# Altium PCB LimeSDR-X3_1v0.PcbDoc (part 4 of 25)
Units mm, origin at the board's own origin, x right, y up, seen from the top; angles counter-clockwise.
Board outline 232.5 x 111.15 mm, 12 copper layers (Top, L2, L3, L4, L5, L6, L7, L8, L9, L10, L11, Bottom), stack 1.596 mm thick; 2057 components, 1391 nets, 8880 pads, 3657 vias.
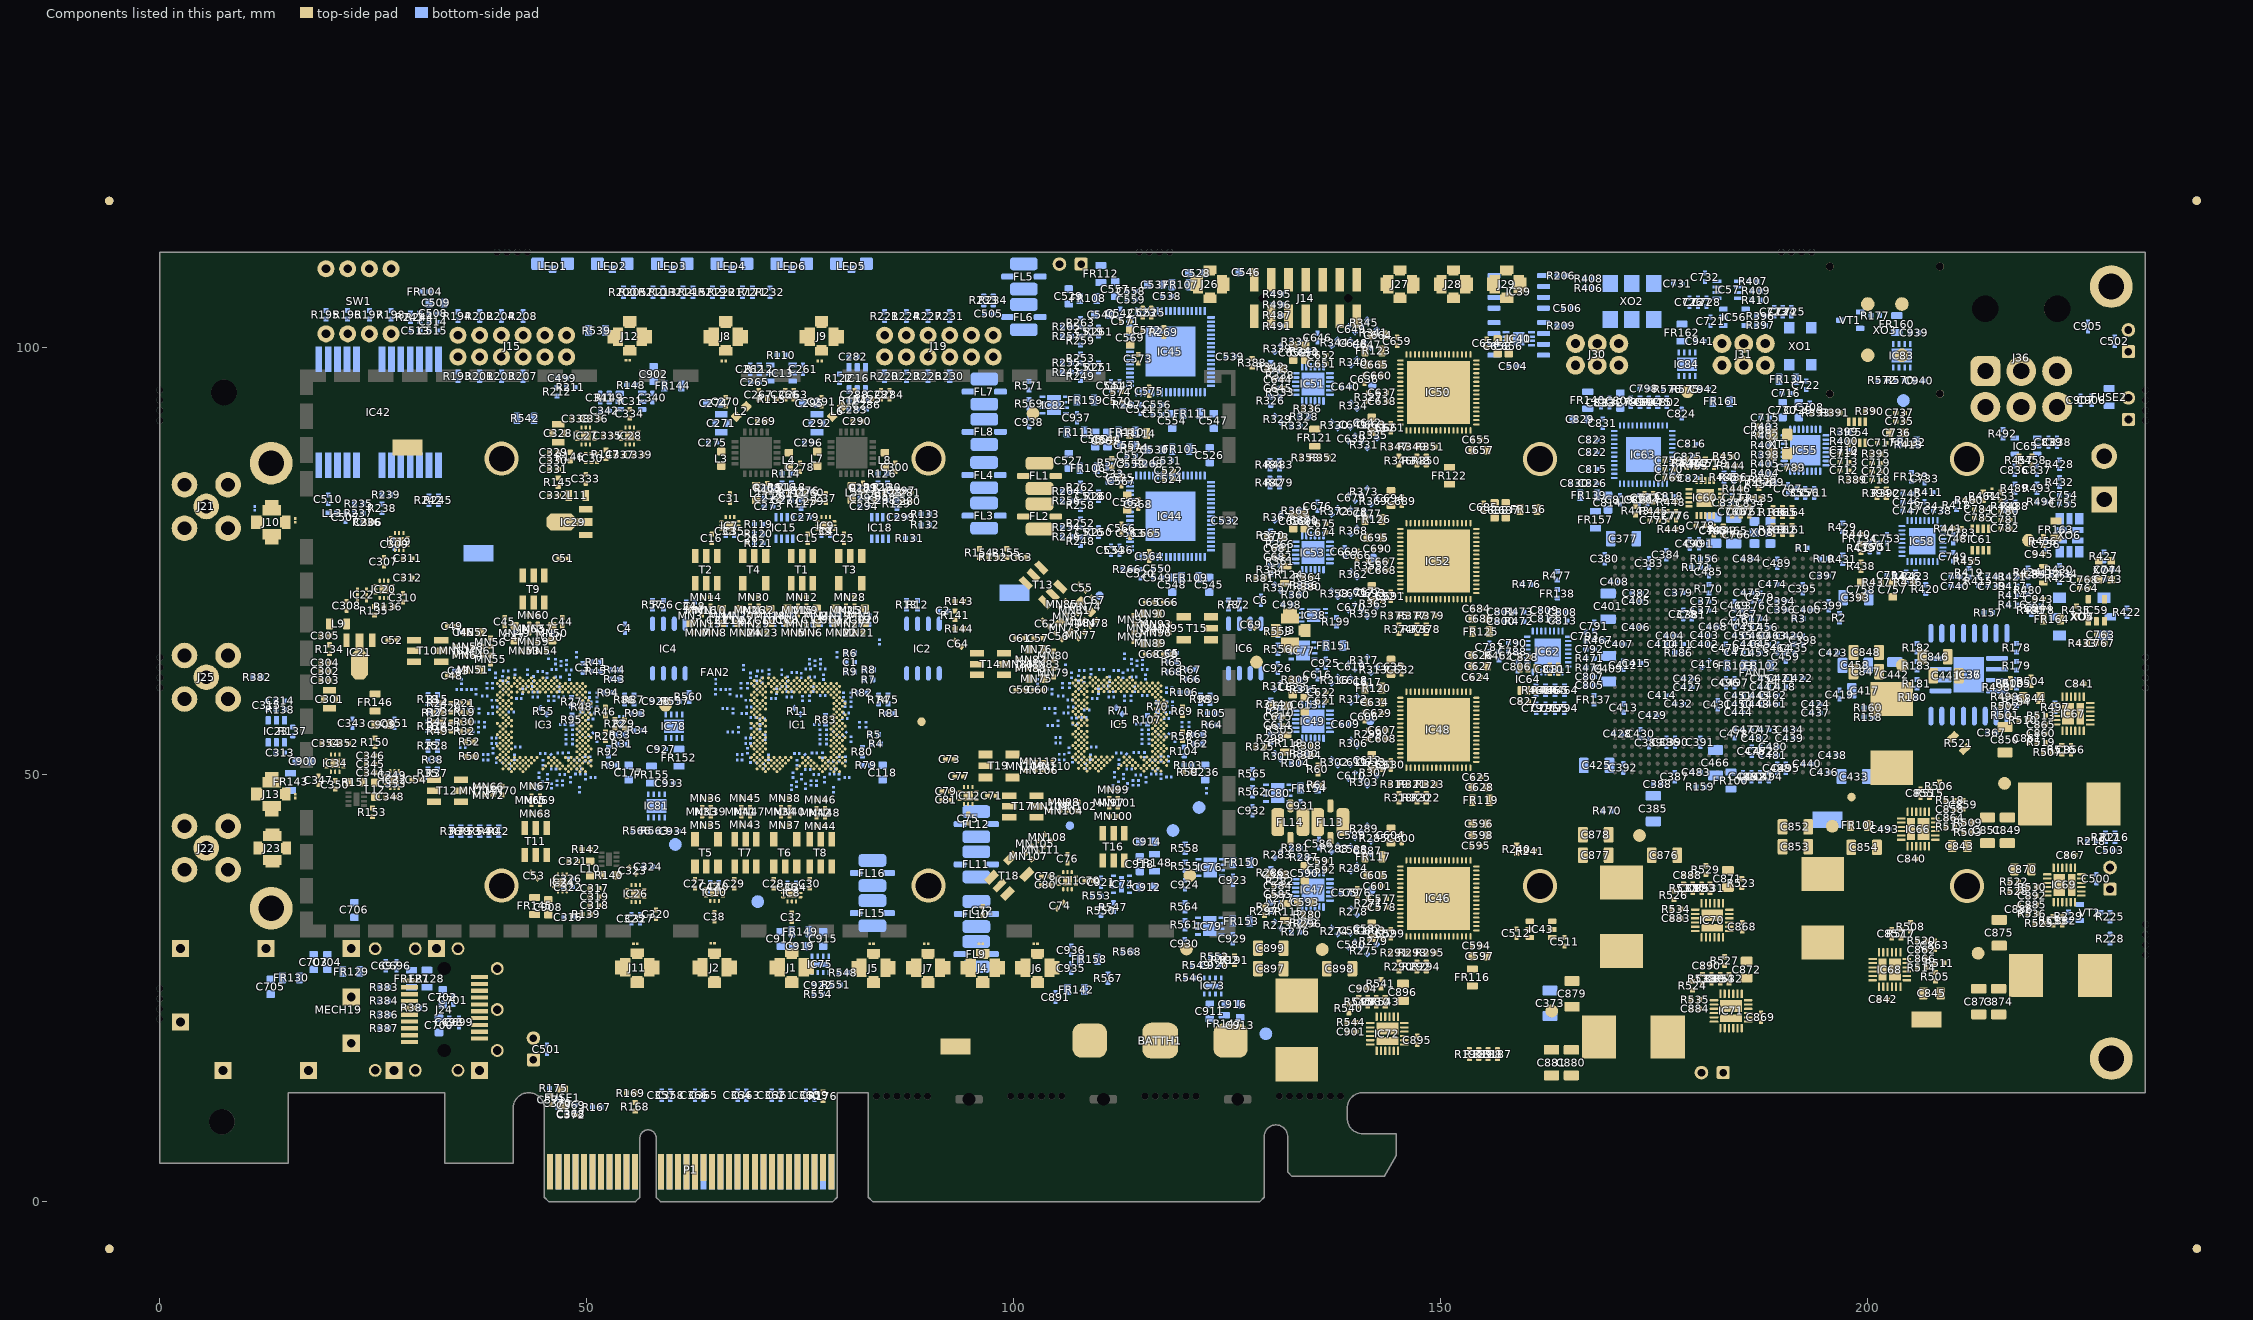
[diagram p14: the components of this part, seen from the top]

## Components (designator, comment, footprint, x,y, rotation, side; value= is the part's Value field where it differs from the comment) (continued)
R318 "10k, 1%" RES0402#2 145.075,47.275 r270 top
R319 "0R" RES0402#2 144.575,48.875 r0 top
R320 "10k, 1%" RES0402#2 147.175,47.275 r270 top
R321 "0R" RES0402#2 146.675,48.875 r0 top
R322 "10k, 1%" RES0402#2 148.275,47.275 r270 top
R323 "0R" RES0402#2 148.775,48.875 r180 top
R324 "0R" RES0402#2 134.4,52.25 r0 top
R325 "0R" RES0402#2 128.825,53.25 r180 top
R326 "300R, 1%" RES0402#1 130.075,93.75 r270 bottom
R327 "100R, 1%" RES0402#2 141.534,94.202 r90 top
R328 "560R, 1%" RES0402#1 134,91.925 r180 bottom
R329 "120R, 1%" RES0402#1 130.885,91.635 r135 bottom
R330 "39R, 1%" RES0402#1 137.554,90.934 r135 bottom
R331 "10R, 1%" RES0402#1 141.018,88.6 r135 bottom
R332 "300R, 1%" RES0402#1 133,90.825 r180 bottom
R333 "560R, 1%" RES0402#1 131.175,94.75 r270 bottom
R334 "39R, 1%" RES0402#1 139.816,93.196 r135 bottom
R335 "10R, 1%" RES0402#1 142.15,89.732 r135 bottom
R336 "10k, 1%" RES0402#2 134.4,92.85 r180 top
R337 "300R, 1%" RES0402#1 133,100.675 r180 bottom
R338 "560R, 1%" RES0402#1 131.175,96.75 r90 bottom
R339 "120R, 1%" RES0402#1 130.885,99.865 r45 bottom
R340 "39R, 1%" RES0402#1 139.816,98.304 r225 bottom
R341 "10R, 1%" RES0402#1 142.141,101.76 r225 bottom
R342 "300R, 1%" RES0402#1 130.075,97.75 r90 bottom
R343 "560R, 1%" RES0402#1 134,99.575 r180 bottom
R344 "39R, 1%" RES0402#1 137.545,100.558 r225 bottom
R345 "10R, 1%" RES0402#1 141.01,102.891 r225 bottom
R346 "10k, 1%" RES0402#2 145.075,86.775 r270 top
R347 "0R" RES0402#2 144.575,88.375 r0 top
R348 "10k, 1%" RES0402#2 147.175,86.775 r270 top
R349 "0R" RES0402#2 146.675,88.375 r0 top
R350 "10k, 1%" RES0402#2 148.275,86.775 r270 top
R351 "0R" RES0402#2 148.775,88.375 r180 top
R352 "0R" RES0402#2 136.275,87.1 r0 top
R353 "0R" RES0402#2 134.175,87.1 r180 top
R354 "300R, 1%" RES0402#1 130.075,74 r270 bottom
R355 "100R, 1%" RES0402#2 141.534,74.452 r90 top
R356 "560R, 1%" RES0402#1 134,72.175 r180 bottom
R357 "120R, 1%" RES0402#1 130.885,71.885 r135 bottom
R358 "39R, 1%" RES0402#1 137.554,71.184 r135 bottom
R359 "10R, 1%" RES0402#1 141.018,68.85 r135 bottom
R360 "300R, 1%" RES0402#1 133,71.075 r180 bottom
R361 "560R, 1%" RES0402#1 131.175,75 r270 bottom
R362 "39R, 1%" RES0402#1 139.816,73.446 r135 bottom
R363 "10R, 1%" RES0402#1 142.15,69.982 r135 bottom
R364 "10k, 1%" RES0402#2 134.4,73.1 r180 top
R365 "300R, 1%" RES0402#1 133,80.925 r180 bottom
R366 "560R, 1%" RES0402#1 131.175,77 r90 bottom
R367 "120R, 1%" RES0402#1 130.885,80.115 r45 bottom
R368 "39R, 1%" RES0402#1 139.816,78.554 r225 bottom
R369 "10R, 1%" RES0402#1 142.15,82.018 r225 bottom
R370 "300R, 1%" RES0402#1 130.075,78 r90 bottom
R371 "560R, 1%" RES0402#1 134,79.825 r180 bottom
R372 "39R, 1%" RES0402#1 137.554,80.816 r225 bottom
R373 "10R, 1%" RES0402#1 141.018,83.15 r225 bottom
R374 "10k, 1%" RES0402#2 145.075,67.025 r270 top
R375 "0R" RES0402#2 144.575,68.625 r0 top
R376 "10k, 1%" RES0402#2 147.175,67.025 r270 top
R377 "0R" RES0402#2 146.675,68.625 r0 top
R378 "10k, 1%" RES0402#2 148.275,67.025 r270 top
R379 "0R" RES0402#2 148.775,68.625 r180 top
R380 "0R" RES0402#2 134.4,72 r0 top
R381 "0R" RES0402#2 128.825,73 r180 top
R382 "0R" RES0402#1 11.375,61.4 r0 bottom
R383 "10k, 1%" RES0402#1 26.266,25.091 r0 bottom
R384 "10k, 1%" RES0402#1 26.266,23.491 r0 bottom
R385 "10k, 1%" RES0402#1 29.882,22.691 r0 bottom
R386 "10k, 1%" RES0402#1 26.266,21.891 r0 bottom
R387 "10k, 1%" RES0402#1 26.266,20.291 r0 bottom
R388 "0R" RES0402#2 127.9,98.225 r270 top
R389 "3k, 1%" RES0402#2 198.25,84.55 r180 top
R390 "49.9R, 1%" RES0402#2 200.2,92.568 r0 top
R391 "49.9R, 1%" RES0402#2 196.2,92.375 r180 top
R392 "100R, 1%" RES0402#2 202.15,82.95 r90 top
R393 "49.9R, 1%" RES0402#2 193.95,92.375 r180 top
R394 "1k, 1%" RES0402#2 201.05,82.95 r270 top
R395 "10k, 1%" RES0402#2 201,87.55 r0 top
R396 "0R" RES0402#1 187.475,103.7 r0 bottom
R397 "0R" RES0402#1 187.475,102.6 r180 bottom
R398 "0R" RES0402#1 187.975,87.45 r180 bottom
R399 "0R" RES0402#1 197.25,90.125 r0 bottom
R400 "0R" RES0402#1 197.25,89.025 r0 bottom
R401 "0R" RES0402#1 187.975,88.55 r180 bottom
R402 "0R" RES0402#1 187.975,89.65 r180 bottom
R403 "0R" RES0402#1 187.975,90.75 r0 bottom
R404 "0R" RES0402#1 187.975,85.275 r0 bottom
R405 "0R" RES0402#1 187.975,86.375 r180 bottom
R406 "100R, 1%" RES0402#1 167.308,106.96 r0 bottom
R407 "49.9R, 1%" RES0402#1 186.554,107.75 r0 bottom
R408 "100R, 1%" RES0402#1 167.308,108.06 r0 bottom
R409 "49.9R, 1%" RES0402#1 186.925,106.65 r0 bottom
R410 "49.9R, 1%" RES0402#1 186.925,105.55 r0 bottom
R411 "49.9R, 1%" RES0402#1 207.125,83.05 r180 bottom
R412 "0R" RES0402_v2 220.925,73.5 r180 bottom
R413 "0R" RES0402#2 204.75,88.65 r180 top
R414 "0R" RES0402_v2 216.95,70.975 r0 bottom
R415 "49.9R, 1%" RES0402#1 212.95,72.625 r270 bottom
R416 "0R" RES0402_v2 216.95,69.875 r0 bottom
R417 "0R" RES0402_v2 216.95,72.075 r0 bottom
R418 "0R" RES0402#1 210.375,81.55 r270 bottom
R419 "0R" RES0402#1 211.85,73.625 r270 bottom
R420 "0R" RES0402#1 206.775,71.725 r90 bottom
R421 "0R" RES0402_v2 216.95,73.175 r0 bottom
R422 "0R" RES0402#1 230.35,69 r90 bottom
R423 "0R" RES0402#1 205.575,73.2 r270 bottom
R424 "0R" RES0402#1 218.725,73.675 r270 bottom
R425 "0R" RES0402_v2 222.425,73 r270 bottom
R426 "0R" RES0402#1 204.475,73.2 r90 bottom
R427 "0R" RES0402#1 227.626,75.546 r90 bottom
R428 "0R" RES0402#1 222.436,86.36 r270 bottom
R429 "0R" RES0402#1 197.05,78.975 r270 bottom
R430 "0R" RES0402_v2 222.425,74 r270 bottom
R431 "0R" RES0402#1 197.05,75.225 r270 bottom
R432 "22R, 1%" RES0402#1 222.436,84.26 r270 bottom
R433 "0R" RES0402#2 225.177,65.377 r0 top
R434 "0R" RES0402_v2 222.925,73.5 r0 bottom
R435 "0R" RES0402#2 224.402,69.252 r270 top
R436 "10k, 1%" RES0402#2 204.725,72.525 r180 top
R437 "10k, 1%" RES0402#2 201.05,72.525 r180 top
R438 "4.7k, 1%" RES0402#2 199.2,74.4 r270 top
R439 "0R" RES0402#2 199.2,76.525 r270 top
R440 "0R" RES0402#2 198.7,78.125 r180 top
R441 "0R" RES0402#2 209.425,78.8 r0 top
R442 "49.9R, 1%" RES0402#2 183.05,78.575 r270 top
R443 "10R, 5%" RES0402#2 172.786,80.915 r270 top
R444 "1k, 1%" RES0402#2 183.986,86.14 r0 top
R445 "470R, 1%" RES0402#2 174.986,80.815 r180 top
R446 "49.9R, 1%" RES0402#2 184.65,83.45 r0 top
R447 "10k, 1%" RES0402#2 178.75,86.45 r90 top
R448 "10k, 1%" RES0402#2 176.986,81.915 r180 top
R449 "330R, 5%" RES0402#2 177.036,78.715 r0 top
R450 "49.9R, 1%" RES0402#2 183.55,87.25 r180 top
R451 "49.9R, 1%" RES0402#2 180.95,86.45 r270 top
R452 "49.9R, 1%" RES0402#2 179.85,86.45 r270 top
R453 "3k, 1%" RES0402#2 215.599,82.6 r270 top
R454 "0R" RES0402#2 187.25,84 r270 top
R455 "49.9R, 1%" RES0402#2 211.699,74.976 r180 top
R456 "100R, 1%" RES0402#2 220.55,77.348 r90 top
R457 "49.9R, 1%" RES0402#2 217.7,86.8 r90 top
R458 "49.9R, 1%" RES0402#2 219.225,86.81 r90 top
R459 "0R" RES0402#2 187.75,84.5 r180 top
R460 "1k, 1%" RES0402#2 211.85,82.1 r180 top
R461 "10k, 1%" RES0402#2 213.499,82.6 r90 top
R462 "49.9R, 1%" RES0402#1 156.8,63.9 r90 bottom
R463 "0R" RES0402#1 179.65,86.175 r0 bottom
R464 "0R" RES0402#1 164.45,59.876 r90 bottom
R465 "0R" RES0402#1 163.35,59.876 r90 bottom
R466 "0R" RES0402#1 162.25,59.876 r90 bottom
R467 "49.9R, 1%" RES0402#1 168.45,65.75 r180 bottom
R468 "0R" RES0402#1 161.15,59.876 r90 bottom
R469 "499R, 1%" RES0402#1 173.295,93.589 r90 bottom
R470 "0R" RES0402#1 169.475,45.75 r180 bottom
R471 "0R" RES0402#1 167.45,63.6 r0 bottom
R472 "0R" RES0402#1 159.189,67.943 r0 bottom
R473 "0R" RES0402#1 159.189,69.043 r0 bottom
R474 "0R" RES0402#1 167.45,62.5 r180 bottom
R475 "10k, 1%" RES0402#1 175.385,93.589 r90 bottom
R476 "0R" RES0402#1 160.025,72.275 r0 bottom
R477 "0R" RES0402#1 163.625,73.275 r90 bottom
R478 "0R" RES0402#1 220.25,69.25 r90 bottom
R479 "0R" RES0402#1 131.075,84.2 r90 bottom
R480 "0R" RES0402#1 218.775,71.575 r90 bottom
R481 "0R" RES0402#1 219.15,69.25 r90 bottom
R482 "0R" RES0402#1 129.975,84.2 r90 bottom
R483 "0R" RES0402#1 131.075,86.3 r270 bottom
R484 "0R" RES0402#1 129.975,86.3 r270 bottom
R485 "0R" RES0402#1 183.14,84.8 r270 bottom
R486 "0R" RES0402#1 184.24,84.8 r90 bottom
R487 "0R" RES0402#1 130.825,103.775 r180 bottom
R488 "0R" RES0402#1 217.2,81.425 r270 bottom
R489 "0R" RES0402#1 217.2,83.525 r90 bottom
R490 "0R" RES0402#1 216.1,81.425 r270 bottom
R491 "0R" RES0402#1 130.825,102.528 r180 bottom
R492 "49.9R, 1%" RES0402#1 215.8,89.925 r270 bottom
R493 "0R" RES0402#1 219.8,83.525 r90 bottom
R494 "0R" RES0402#1 220.3,81.925 r180 bottom
R495 "0R" RES0402#1 130.825,106.269 r180 bottom
R496 "0R" RES0402#1 130.825,105.022 r180 bottom
R497 "10k, 1%" RES0402#1 221.925,57.875 r270 bottom
R498 "0R" RES0402#2 215.075,60.225 r0 top
R499 "10k, 1%" RES0402#2 216.075,59.125 r0 top
R500 "0R" RES0402#2 216.675,60.725 r270 top
R501 "0R" RES0402#2 216.075,56.925 r180 top
R502 "0R" RES0402#2 216.075,58.025 r0 top
R503 "0R" RES0402#2 211.75,43.275 r0 top
R504 "10k, 1%" RES0402#2 219.1,60.95 r270 top
R505 "10k, 1%" RES0402#2 207.9,26.325 r90 top
R506 "10k, 1%" RES0402#2 208.366,48.616 r270 top
R507 "10k, 1%" RES0402#2 221.059,52.623 r0 top
R508 "10k, 1%" RES0402#2 204.984,32.177 r270 top
R509 "44.2k, 1%" RES0402#2 211.75,44.375 r0 top
R510 "44.2k, 1%" RES0402#2 218.175,56.375 r180 top
R511 "44.2k, 1%" RES0402#2 208.4,27.925 r0 top
R512 "124k, 1%" RES0402#2 209.65,43.875 r0 top
R513 "124k, 1%" RES0402#2 220.275,56.9 r180 top
R514 "124k, 1%" RES0402#2 206.3,27.4 r0 top
R515 "15k, 1%" RES0402#2 207.225,47.825 r270 top
R516 "15k, 1%" RES0402#2 222.7,52.925 r90 top
R517 "10k, 1%" RES0402#2 203.875,31.375 r90 top
R518 "66.5k" RES0402#2 209.65,46.975 r180 top
R519 "66.5k" RES0402#2 220.275,53.775 r0 top
R520 "66.5k" RES0402#2 206.3,30.525 r180 top
R521 "0R" RES0805#2 210.65,53.7 r135 top
R522 "10k, 1%" RES0402#2 217.15,37.425 r0 top
R523 "10k, 1%" RES0402#2 185.225,37.3 r90 top
R524 "10k, 1%" RES0402#2 179.473,25.284 r270 top
R525 "20k, 1%" RES0402#2 220.048,32.573 r180 top
R526 "47.5k, 1%" RES0402#2 177.274,35.889 r90 top
R527 "44.2k, 1%" RES0402#2 183.225,28.175 r90 top
R528 "44.2k, 1%" RES0402#2 217.15,36.325 r180 top
R529 "44.2k, 1%" RES0402#2 181.026,38.83 r90 top
R530 "100k, 1%" RES0402#2 219.25,36.825 r180 top
R531 "100k, 1%" RES0402#2 181.526,36.679 r90 top
R532 "100k, 1%" RES0402#2 183.725,26.075 r90 top
R533 "10k, 1%" RES0402#2 221.675,32.875 r270 top
R534 "15k, 1%" RES0402#2 177.576,34.254 r0 top
R535 "2.21k, 1%" RES0402#2 179.775,23.65 r0 top
R536 "47k, 1%" RES0402#2 219.25,33.725 r0 top
R537 "44.2k, 1%" RES0402#2 178.426,36.68 r270 top
R538 "44.2k, 1%" RES0402#2 180.625,26.075 r270 top
R539 "0R" RES0805#1 51.175,102 r180 bottom
R540 "22k, 1%" RES0402#2 139.223,22.616 r90 top
R541 "44.2k, 1%" RES0402#2 142.975,25.5 r90 top
R542 "0R" RES0805#1 42.8,91.725 r0 bottom
R543 "100k, 1%" RES0402#2 143.475,23.4 r90 top
R544 "3k, 1%" RES0402#2 139.525,20.975 r0 top
R545 "44.2k, 1%" RES0402#2 140.375,23.4 r270 top
R546 "0R" RES0402#1 120.6,26.2 r0 bottom
R547 "0R" RES0402#1 111.65,34.487 r90 bottom
R548 "0R" RES0402#1 80,26.825 r180 bottom
R549 "187k, 1%" RES0402#1 121.4,27.65 r180 bottom
R550 "187k, 1%" RES0402#1 110.2,34.037 r270 bottom
R551 "187k, 1%" RES0402#1 79.2,25.375 r0 bottom
R552 "82.5k, 1%" RES0402#1 123.5,28.7 r180 bottom
R553 "82.5k, 1%" RES0402#1 109.7,35.787 r0 bottom
R554 "82.5k, 1%" RES0402#1 77.1,24.3 r0 bottom
R555 "750R, 1%" RES0402#1 120.055,39.286 r90 bottom
R556 "750R, 1%" RES0402#1 130.925,64.675 r90 bottom
R557 "750R, 1%" RES0402#1 60.341,58.588 r0 bottom
R558 "1k, 1%" RES0402#1 120.055,41.386 r270 bottom
R559 "1k, 1%" RES0402#1 130.925,66.775 r270 bottom
R560 "1k, 1%" RES0402#1 61.941,59.087 r270 bottom
R561 "560R, 1%" RES0402#1 120.021,32.411 r270 bottom
R562 "560R, 1%" RES0402#1 127.955,47.986 r270 bottom
R563 "560R, 1%" RES0402#1 57.989,43.405 r0 bottom
R564 "1k, 1%" RES0402#1 120.021,34.511 r270 bottom
R565 "1k, 1%" RES0402#1 127.955,50.086 r270 bottom
R566 "1k, 1%" RES0402#1 55.889,43.405 r0 bottom
R567 "0R" RES0402#1 111.019,26.15 r270 bottom
R568 "0R" RES0402#1 113.25,29.262 r0 bottom
R569 "1k, 1%" RES0402#1 101.775,93.437 r270 bottom
R570 "1k, 1%" RES0402#1 203.8,96.15 r0 bottom
R571 "806R, 1%" RES0402#1 101.775,95.537 r90 bottom
R572 "470R, 1%" RES0402#1 201.7,96.15 r180 bottom
R573 "0R" RES0402#2 111.45,86.5 r270 top
R574 "0R" RES0402#2 114.15,88.3 r0 top
R575 "1.6k, 1%" RES0402#1 178.65,95.15 r0 bottom
R576 "510R, 1%" RES0402#1 176.55,95.15 r180 bottom
SW1 "4 bit switch" DS02C-254-1L-04BE_DIP_SWITCH_4PIN 23.25,105.425 r180 top locked
T1 "TCM1-63AX+" TCM1-63AX+_v2 75.196,73.995 r0 top
T2 "TCM1-63AX+" TCM1-63AX+_v2 63.97,73.995 r0 top
T3 "TC1-1-13M-45+" TC1-1-13MA+_JA4220-AL_ 80.826,73.995 r0 top
T4 "TC1-1-13M-45+" TC1-1-13MA+_JA4220-AL_ 69.6,73.995 r0 top
T5 "TC1-1-13M-45+" TC1-1-13MA+_JA4220-AL_ 63.99,40.845 r180 top
T6 "TC1-1-13M-45+" TC1-1-13MA+_JA4220-AL_ 73.22,40.845 r180 top
T7 "TCM1-63AX+" TCM1-63AX+_v2 68.58,40.845 r180 top
T8 "TCM1-63AX+" TCM1-63AX+_v2 77.37,40.844 r180 top
T9 "TCM1-63AX+" TCM1-63AX+_v2 43.741,71.731 r0 top
T10 "TCM1-63AX+" TCM1-63AX+_v2 31.35,64.482 r90 top
T11 "TCM1-63AX+" TCM1-63AX+_v2 44.003,42.167 r180 top
T12 "TCM1-63AX+" TCM1-63AX+_v2 33.666,48.107 r90 top
T13 "TCM1-63AX+" TCM1-63AX+_v2 103.415,72.218 r45 top
T14 "TCM1-63AX+" TCM1-63AX+_v2 97.256,62.943 r90 top
T15 "TC1-1-13M-45+" TC1-1-13MA+_JA4220-AL_ 121.475,67.128 r270 top
T16 "TCM1-63AX+" TCM1-63AX+_v2 111.657,41.545 r180 top
T17 "TCM1-63AX+" TCM1-63AX+_v2 101.04,46.267 r90 top
T18 "TC1-1-13M-45+" TC1-1-13MA+_JA4220-AL_ 99.432,38.148 r135 top
T19 "TC1-1-13M-45+" TC1-1-13MA+_JA4220-AL_ 98.239,51.011 r90 top
TP1 "TESTPOINT_THT_MINI" TP-SMD-LOW_PROFILE 28.975,88.3 r180 top
TP2 "TESTPOINT_THT_MINI" TP-SMD-LOW_PROFILE 206.875,21.325 r180 top
TP3 "TESTPOINT_THT_MINI" TP-SMD-LOW_PROFILE 93.175,18.175 r180 top
TP4 "TESTPOINT_THT_MINI" TP-SMD-LOW_PROFILE 195.25,44.7 r0 bottom
TP5 "TESTPOINT_THT_MINI" TP-SMD-LOW_PROFILE 100.078,71.281 r0 bottom
TP6 "TESTPOINT_THT_MINI" TP-SMD-LOW_PROFILE 37.277,75.931 r0 bottom
TP7 "TESTPOINT_PAD" TP_PAD_1p5MM 204.025,62.8 r180 top
TP8 "TESTPOINT_PAD" TP_PAD_1p5MM 216,48.975 r180 top
TP9 "TESTPOINT_PAD" TP_PAD_1p5MM 195.825,43.95 r180 top
TP10 "TESTPOINT_PAD" TP_PAD_1p5MM 212.9,29.075 r270 top
TP11 "TESTPOINT_PAD" TP_PAD_1p5MM 173.25,42.875 r270 top
TP12 "TESTPOINT_PAD" TP_PAD_1p5MM 162.975,22.325 r270 top
TP13 "TESTPOINT_PAD" TP_PAD_1p5MM 136.1,29.525 r270 top
TP14 "TESTPOINT_PAD" TP_PAD_1p5MM 129.5,19.65 r270 bottom
TP15 "TESTPOINT_PAD" TP_PAD_1p5MM 118.625,43.45 r270 bottom
TP16 "TESTPOINT_PAD" TP_PAD_1p5MM 70,35.125 r270 bottom
TP17 "TESTPOINT_PAD" TP_PAD_1p5MM 120.6,38.175 r270 top
TP18 "TESTPOINT_PAD" TP_PAD_1p5MM 128.4,63.175 r270 top
TP19 "TESTPOINT_PAD" TP_PAD_1p5MM 59.2,58.125 r270 top
TP20 "TESTPOINT_PAD" TP_PAD_1p5MM 120.2,29.575 r270 top
TP21 "TESTPOINT_PAD" TP_PAD_1p5MM 121.675,46.15 r270 bottom
TP22 "TESTPOINT_PAD" TP_PAD_1p5MM 60.35,41.825 r270 bottom
TP23 "TESTPOINT_PAD" TP_PAD_1p5MM 102.225,92.3 r270 top
TP24 "TESTPOINT_PAD" TP_PAD_1p5MM 204.15,93.8 r270 bottom
TP25 "TESTPOINT_PAD" TP_PAD_1p5MM 178.875,94.825 r270 top
TP26 "TESTPOINT_PAD" TP_PAD_1p5MM 218.8,77.45 r270 top
VT1 "DMN6140L" SOT23-3 197.923,103.21 r180 bottom
VT2 "DMN6140L" SOT23-3 225.95,33.85 r0 bottom
XO1 "XTCLH25M000CHJB0P0" XO_XTCLH25M000CHJB0P0 192.075,100.15 r180 bottom
XO2 "ASVV-20.000MHZ-N152-T" XO_ASVV-20.000MHZ-N152-T 172.364,105.41 r90 bottom
XO3 "U7475LF 30.72MHz" AOCJYR-10.000MHz 201.975,102.1 r90 top locked
XO4 "E6245LF 30.72 MHz" RAKON_RPT7050A 225.176,68.5 r0 bottom
XO5 "E5280LF 30.72MHz" RAKON_TXCO 225.176,68.5 r0 bottom
XO6 "RTX5032A, 40.00MHz" RAKON_RTX5032A 223.586,78.035 r270 bottom
XO7 "38.4MHz VCTCXO" CRYSTAL_4-LCC_2P5x2P0 227.752,73.927 r90 top
XO8 "SG3225" CRYSTAL_6-LCC 188.575,78.35 r270 bottom
XT1 "25MHz" CRYSTAL_4-LCC 189.689,88.71 r270 top

## Footprints (in the part's own frame and the unit in brackets; to place one, negate y for a bottom-side part, rotate by r counter-clockwise, add the part's x,y. Pads: shape width x height; smd on the part's side, far side on the other; paste and mask are expansions set on the pad)
1744037-2_CONNECTOR_1X2 [mm]
  rect 3x3 hole 1.8 mask+0.05: 1(-2.54,0)
  round 3 hole 1.8 mask+0.05: 2(2.54,0)
  silkscreen extent -4.5,-4.85 4.55,3.7, body extent -4.52,-4.82 4.52,3.7, height 10.9
AD5662_SOT23-8 [mm]
  rect 1x0.4 smd mask+0.05: 1(-1.25,0.975) 2(-1.25,0.325) 3(-1.25,-0.325) 4(-1.25,-0.975) 5(1.25,-0.975) 6(1.25,-0.325) 7(1.25,0.325) 8(1.25,0.975)
  silkscreen extent -1.29,-1.4 0.3,1.51, body extent -1.4,-1.49 1.4,1.45, height 1.2
ADA4930-2_LFCSP-24 [mm] "QFN, 24-Leads, Body 4,00x4,00mm, Pitch 0,50mm, thermal pad, IPC Medium Density"
  rrect50% 0.9x0.3 smd mask+0.05: 1(-2,1.25) 2(-2,0.75) 3(-2,0.25) 4(-2,-0.25) 5(-2,-0.75) 6(-2,-1.25) 13(2,-1.25) 14(2,-0.75) 15(2,-0.25) 16(2,0.25) 17(2,0.75) 18(2,1.25)
  rrect50% 0.3x0.9 smd mask+0.05: 7(-1.25,-2) 8(-0.75,-2) 9(-0.25,-2) 10(0.25,-2) 11(0.75,-2) 12(1.25,-2) 19(1.25,2) 20(0.75,2) 21(0.25,2) 22(-0.25,2) 23(-0.75,2) 24(-1.25,2)
  rect 2.7x2.7 smd mask+0.05: 25(0,0)
  silkscreen extent -2.3,-2.22 2.3,2.22, body extent -2,-2 2,2, height 0.83
ADF4002 [mm]
  rect 0.85x0.3 smd mask+0.05: 1(-2.05,1) 2(-2.05,0.5) 3(-2.05,0) 4(-2.05,-0.5) 5(-2.05,-1) 11(2.05,-1) 12(2.05,-0.5) 13(2.05,0) 14(2.05,0.5) 15(2.05,1)
  rect 0.3x0.85 smd mask+0.05: 6(-1,-1.9) 7(-0.5,-1.9) 8(0,-1.9) 9(0.5,-1.9) 10(1,-1.9) 16(1,1.9) 17(0.5,1.9) 18(0,1.9) 19(-0.5,1.9) 20(-1,1.9)
  rect 2.1x2.1 smd: 21(0,0)
  silkscreen extent -2.97,-2.03 2.2,2.03, body extent -2.02,-2.02 2.02,2.02, height 0.8
ADP2386 [mm] "QFN, 24-Leads, Body 4,00x4,00mm, Pitch 0,50mm, 2x thermal pads, IPC Medium Density"
  rrect50% 1x0.25 smd mask+0.05: 1(-2,1.25) 2(-2,0.75) 3(-2,0.25) 4(-2,-0.25) 5(-2,-0.75) 6(-2,-1.25) 13(2,-1.25) 14(2,-0.75) 15(2,-0.25) 16(2,0.25) 17(2,0.75) 18(2,1.25)
  rrect50% 0.25x1 smd mask+0.05: 7(-1.25,-2) 8(-0.75,-2) 9(-0.25,-2) 10(0.25,-2) 11(0.75,-2) 12(1.25,-2) 19(1.25,2) 20(0.75,2) 21(0.25,2) 22(-0.25,2) 23(-0.75,2) 24(-1.25,2)
  rect 2.55x1.4 smd mask+0.05: 25(0,0.6)
  rect 2.55x0.9 smd mask+0.05: 26(0,-0.85)
  silkscreen extent -2.22,-2.22 2.22,2.23, body extent -2,-2 2,2, height 1
AOCJYR-10.000MHz [mm]
  round 0.9 hole 0.9 unplated: 0(-7.5,6.45) 0(-7.5,-6.45) 0(7.4,-6.45) 0(7.4,6.45)
  round 1.6 smd mask+0.05: 1(-3,-2) 2(3,-2) 3(3,2) 4(-3,2)
  Top pour cut-out: 7.4,-6.45 7.4,-5.35 7.821,-5.434 8.178,-5.672 8.416,-6.029 8.5,-6.45 8.5,-6.45
  Top pour cut-out: 7.4,-6.45 7.4,-7.55 6.979,-7.466 6.622,-7.228 6.384,-6.871 6.3,-6.45 6.3,-6.45
  Top pour cut-out: 7.4,-6.45 6.3,-6.45 6.384,-6.029 6.622,-5.672 6.979,-5.434 7.4,-5.35 7.4,-5.35
  Top pour cut-out: 7.4,-6.45 8.5,-6.45 8.416,-6.871 8.178,-7.228 7.821,-7.466 7.4,-7.55 7.4,-7.55
  Top pour cut-out: -7.5,-6.45 -6.4,-6.45 -6.484,-6.871 -6.722,-7.228 -7.079,-7.466 -7.5,-7.55 -7.5,-7.55
  Top pour cut-out: -7.5,-6.45 -8.6,-6.45 -8.516,-6.029 -8.278,-5.672 -7.921,-5.434 -7.5,-5.35 -7.5,-5.35
  Top pour cut-out: -7.5,-6.45 -7.5,-7.55 -7.921,-7.466 -8.278,-7.228 -8.516,-6.871 -8.6,-6.45 -8.6,-6.45
  Top pour cut-out: -7.5,-6.45 -7.5,-5.35 -7.079,-5.434 -6.722,-5.672 -6.484,-6.029 -6.4,-6.45 -6.4,-6.45
  Top pour cut-out: -7.5,6.45 -6.4,6.45 -6.484,6.029 -6.722,5.672 -7.079,5.434 -7.5,5.35 -7.5,5.35
  Top pour cut-out: -7.5,6.45 -8.6,6.45 -8.516,6.871 -8.278,7.228 -7.921,7.466 -7.5,7.55 -7.5,7.55
  Top pour cut-out: -7.5,6.45 -7.5,5.35 -7.921,5.434 -8.278,5.672 -8.516,6.029 -8.6,6.45 -8.6,6.45
  Top pour cut-out: -7.5,6.45 -7.5,7.55 -7.079,7.466 -6.722,7.228 -6.484,6.871 -6.4,6.45 -6.4,6.45
  Top pour cut-out: 7.4,6.45 8.5,6.45 8.416,6.029 8.178,5.672 7.821,5.434 7.4,5.35 7.4,5.35
  Top pour cut-out: 7.4,6.45 6.3,6.45 6.384,6.871 6.622,7.228 6.979,7.466 7.4,7.55 7.4,7.55
  Top pour cut-out: 7.4,6.45 7.4,5.35 6.979,5.434 6.622,5.672 6.384,6.029 6.3,6.45 6.3,6.45
  Top pour cut-out: 7.4,6.45 7.4,7.55 7.821,7.466 8.178,7.228 8.416,6.871 8.5,6.45 8.5,6.45
  Top pour cut-out: 4.9,-0.5 4.9,3.9 -4.9,3.9 -4.9,-3.9 1.525,-3.9 1.525,-0.5
  silkscreen extent -9,-8 9,8, body extent -8.05,-7.01 7.95,6.99, height 10
AP7361 [mm] "Low noise LDO"
  rect 0.7x0.3 smd mask+0.05: 1(-1.375,0.975) 2(-1.375,0.325) 3(-1.375,-0.325) 4(-1.375,-0.975) 5(1.375,-0.975) 6(1.375,-0.325) 7(1.375,0.325) 8(1.375,0.975)
  rect 1.6x2.35 smd mask+0.05: 9(0,0)
  silkscreen extent -2.34,-1.7 2,1.7, body extent -1.52,-1.5 1.5,1.5, height 0.8
ATECC508A_UDFN8 [mm]
  rect 0.8x0.3 smd mask+0.05: 1(-1.5,0.75) 2(-1.5,0.25) 3(-1.5,-0.25) 4(-1.5,-0.75) 5(1.5,-0.75) 6(1.5,-0.25) 7(1.5,0.25) 8(1.5,0.75)
  rect 1.4x1.6 smd mask+0.05: PAD(0,0)
  silkscreen extent -1.64,-1.1 1.2,1.24, body extent -1.5,-1 1.5,1, height 0.53
BHR-06-HUA_2x3_EDGE_HEADER [mm]
  round 2.2 hole 1.1 mask+0.05: 1(-2.54,-2.54) 2(-2.54,0) 3(0,-2.54) 4(0,0) 5(2.54,-2.54) 6(2.54,0)
  silkscreen extent -8,-4.25 8,10.75, body extent -7.64,-2.87 7.64,10.68, height 8.93
CAP0201 [mm]
  rect 0.3x0.35 smd mask+0.05: 1(-0.28,0) 2(0.28,0)
  silkscreen extent -0.2,-0.33 0.2,0.32, body extent -0.3,-0.15 0.3,0.15, height 0.25
CAP0402#1 [mm] "Chip Capacitor, Body 1.0x0.5mm, 0402, IPC Medium Density"
  round 0.2 on Mech14: 0(0,0)
  rrect20% 0.6x0.5 smd: 1(-0.5,0) 2(0.5,0)
  Top pour cut-out: -0.2,0.35 0.2,0.35 0.2,-0.35 -0.2,-0.35
  silkscreen extent -1.05,-0.5 1.05,0.5, body extent -0.52,-0.27 0.53,0.28, height 0.55
CAP0402#2 [mm] "Chip Capacitor, Body 1.0x0.5mm, 0402, IPC Medium Density"